# KiCad board keyboard0 - SK6812.kicad_pcb (continued)
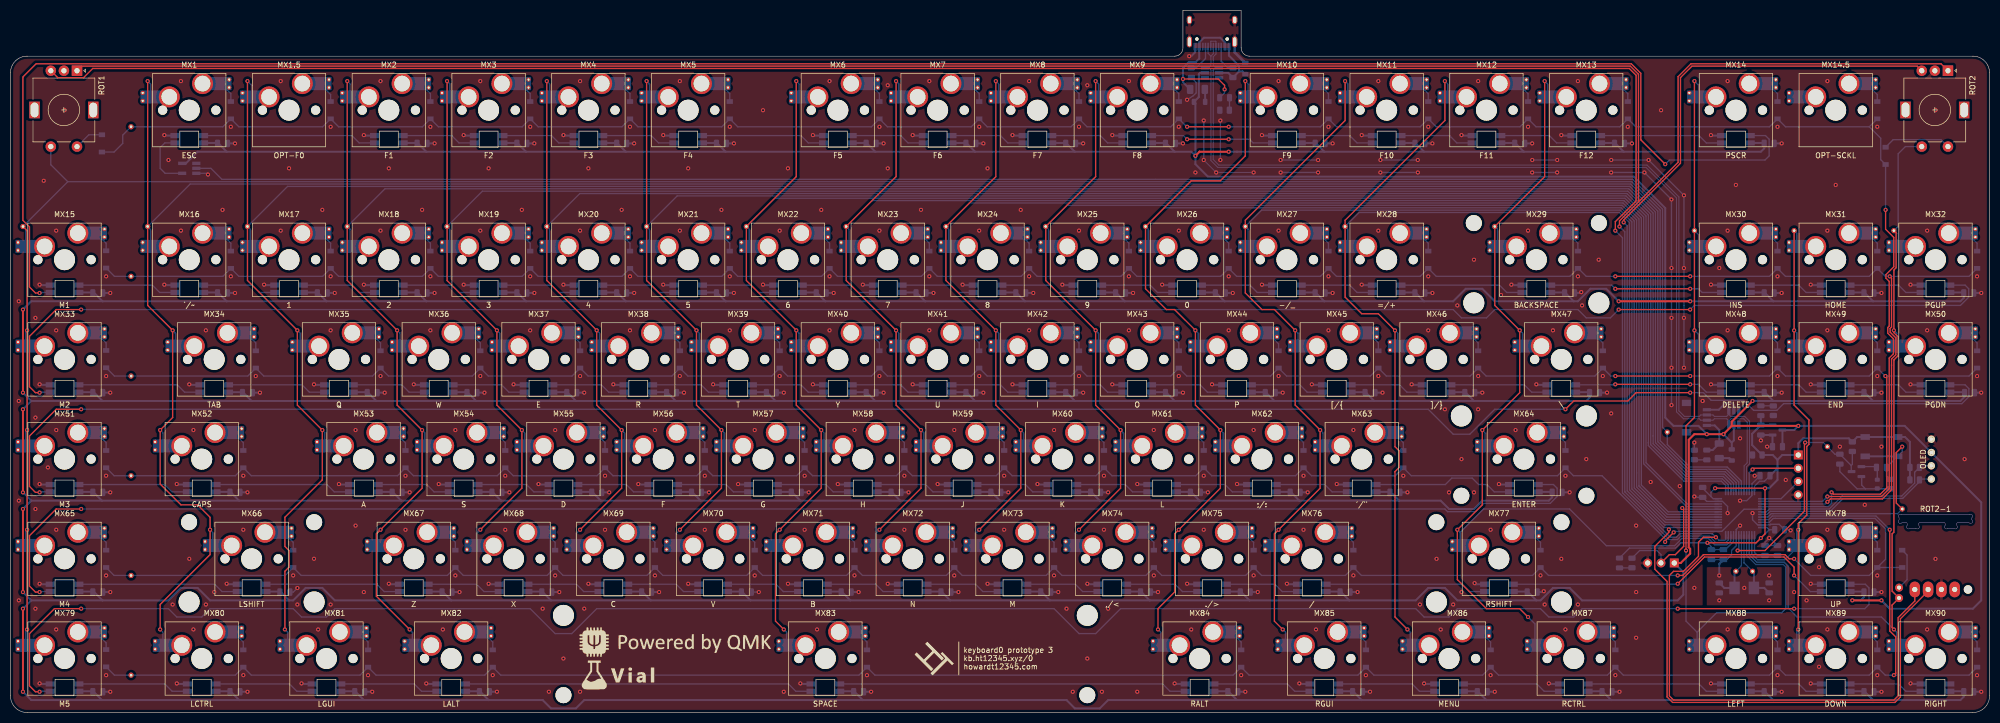
[diagram p0: board, top side]
## Placement (name value [footprint] x y rotation side) (continued)
R13  5.1K  [R_0805_2012Metric]  225.43 122.23 270 bottom
R38  4.7k  [R_0805_2012Metric]  363.51 44.45 0 bottom
R39  4.7k  [R_0805_2012Metric]  363.51 46.83 0 bottom
R58  1.5k  [R_0805_2012Metric]  333.47 49.21 180 bottom
R64  510  [R_0805_2012Metric]  336.53 57.66 90 bottom
ROT1  EC11  [RotaryEncoder_Alps_EC11E-Switch_Vertical_H20mm]  12.7 122.63 270 top
ROT2  EC11  [RotaryEncoder_Alps_EC11E-Switch_Vertical_H20mm]  369.86 122.63 270 top
ROT2-1  -  [EVQWGD001]  367.48 29.37 180 top
ROW0  TestPoint_Small  [TestPoint_THTPad_D1.0mm_Drill0.5mm]  23.02 111.91 0 bottom
ROW1  TestPoint_Small  [TestPoint_THTPad_D1.0mm_Drill0.5mm]  23.02 83.34 0 bottom
ROW2  TestPoint_Small  [TestPoint_THTPad_D1.0mm_Drill0.5mm]  23.02 64.29 0 bottom
ROW3  TestPoint_Small  [TestPoint_THTPad_D1.0mm_Drill0.5mm]  23.02 45.24 0 bottom
ROW4  TestPoint_Small  [TestPoint_THTPad_D1.0mm_Drill0.5mm]  23.02 26.19 0 bottom
ROW5  TestPoint_Small  [TestPoint_THTPad_D1.0mm_Drill0.5mm]  23.02 7.14 0 bottom
RST1  TestPoint_Small  [TestPoint_THTPad_D1.0mm_Drill0.5mm]  346.85 50.8 180 bottom
SW1  SW_Push  [SKQG-1155865]  357.16 50.8 180 bottom
U1  SRV05-4  [SOT-23-6_Handsoldering]  229.38 122.23 180 bottom
U2  74LVC1G34  [SOT-23-5_HandSoldering]  34.13 103.97 180 bottom
U3  SRV05-4  [SOT-23-6_Handsoldering]  328.99 56.35 270 bottom
U12  XC6206P332MR  [SOT-23]  337.32 53.97 0 bottom
U14  STM32F303CBT6  [LQFP-48_7x7mm_P0.5mm]  330.18 38.1 90 bottom
USB1  HRO-TYPE-C-31-M-12  [HRO-TYPE-C-31-M-12-Assembly]  229.38 134.93 0 bottom
X1  TestPoint_Small  [TestPoint_THTPad_D1.0mm_Drill0.5mm]  332.56 26.99 180 bottom
X2  TestPoint_Small  [TestPoint_THTPad_D1.0mm_Drill0.5mm]  329.39 26.99 180 bottom
Y2  8MHz  [Crystal_SMD_5032-2Pin_5.0x3.2mm]  330.97 23.81 180 bottom

## Library data of the parts
BKL1 BOOT0 COL0-COL17 J1 J3 LOGO0 LOGO0#2 LOGO1 LOGO1#2 LOGO2 LOGO2#2 MX1 MX1.5 MX2-MX14 MX14.5 MX15-MX25 MX27-MX90 OL1 ROT1 ROT2 ROW0-ROW5 RST1 X1 X2 = -: JLCPCB BOM: 0
C2 = -: LCSC Part: C1779
C3 C7 = -: LCSC Part: C1798
C4 C24 C43 C44 = -: LCSC Part: C28323
C18-C20 C22 = -: LCSC Part: C28233
C21 = -: LCSC Part: C15850
C23 = -: LCSC Part: C1710
D1 = -: LCSC Part: C2297
D2 D5 D11 = -: LCSC Part: C84256
D3 D4 D6 KD1 KD1-1 KD2-KD14 KD14-1 KD15-KD90 = -: LCSC Part: C81598
F1 F8 = -: LCSC Part: C70069
FB1 FB5 FB15 = -: LCSC Part: C18305
J2 = -: LCSC Part: C160404
Q1 = -: LCSC Part: C8545
R1 R8 = -: LCSC Part: C17798
R2 R64 = -: LCSC Part: C17734
R5 R6 = -: LCSC Part: C17414
R7 = -: LCSC Part: C25803
R12 R13 = -: LCSC Part: C27834
R38 R39 = -: LCSC Part: C17673
R58 = -: LCSC Part: C4310
SW1 = -: LCSC Part: C318884
U1 U3 = -: LCSC Part: C85364
U2 = -: LCSC Part: C526347
U12 = -: LCSC Part: C5446
U14 = -: LCSC Part: C108516
USB1 = -: LCSC Part: C165948
Y2 = -: LCSC Part: C115962

## Footprints (pads in the part's own frame, mm; a bottom-side part is the same pattern mirrored in y, then rotated)
C_0805_2012Metric
  rrect 1x1.45 smd: 1(-0.95,0) 2(0.95,0)
CherryMX_1.00u_PCB_KailhSocket
  rect 2.55x2.5 smd: (-7.085,2.54) (5.815,5.08)
  round 1.75 hole 1.75 unplated: (-5.08,0) (5.08,0)
  round 3.988 hole 3.988 unplated: (0,0)
  round 0.8 hole 0.4: 1(-8.89,3.302) 1(-8.89,1.778) 2(7.62,5.842) 2(7.62,4.318)
  rect 4.5x2.5 smd far side: 1(-7.085,2.54) 2(5.842,5.08)
  round 4 hole 3: 1(-3.81,2.54) 2(2.54,5.08)
CherryMX_1.25u_PCB_KailhSocket
  rect 2.55x2.5 smd: (-7.085,2.54) (5.815,5.08)
  round 1.75 hole 1.75 unplated: (-5.08,0) (5.08,0)
  round 3.988 hole 3.988 unplated: (0,0)
  round 0.8 hole 0.4: 1(-8.89,3.302) 1(-8.89,1.778) 2(7.62,5.842) 2(7.62,4.318)
  rect 4.5x2.5 smd far side: 1(-7.085,2.54) 2(5.842,5.08)
  round 4 hole 3: 1(-3.81,2.54) 2(2.54,5.08)
CherryMX_1.50u_PCB_KailhSocket
  rect 2.55x2.5 smd: (-7.085,2.54) (5.815,5.08)
  round 1.75 hole 1.75 unplated: (-5.08,0) (5.08,0)
  round 3.988 hole 3.988 unplated: (0,0)
  round 0.8 hole 0.4: 1(-8.89,3.302) 1(-8.89,1.778) 2(7.62,5.842) 2(7.62,4.318)
  rect 4.5x2.5 smd far side: 1(-7.085,2.54) 2(5.842,5.08)
  round 4 hole 3: 1(-3.81,2.54) 2(2.54,5.08)
CherryMX_1.75u_PCB_KailhSocket
  rect 2.55x2.5 smd: (-7.085,2.54) (5.815,5.08)
  round 1.75 hole 1.75 unplated: (-5.08,0) (5.08,0)
  round 3.988 hole 3.988 unplated: (0,0)
  round 0.8 hole 0.4: 1(-8.89,3.302) 1(-8.89,1.778) 2(7.62,5.842) 2(7.62,4.318)
  rect 4.5x2.5 smd far side: 1(-7.085,2.54) 2(5.842,5.08)
  round 4 hole 3: 1(-3.81,2.54) 2(2.54,5.08)
CherryMX_2.00u_PCB_KailhSocket_StabWireBottom
  round 3.05 hole 3.05 unplated: (-11.938,7) (11.938,7)
  round 4 hole 4 unplated: (-11.938,-8.24) (11.938,-8.24)
  rect 2.55x2.5 smd: (-7.085,2.54) (5.815,5.08)
  round 1.75 hole 1.75 unplated: (-5.08,0) (5.08,0)
  round 3.988 hole 3.988 unplated: (0,0)
  round 0.8 hole 0.4: 1(-8.89,3.302) 1(-8.89,1.778) 2(7.62,5.842) 2(7.62,4.318)
  rect 4.5x2.5 smd far side: 1(-7.085,2.54) 2(5.842,5.08)
  round 4 hole 3: 1(-3.81,2.54) 2(2.54,5.08)
CherryMX_2.25u_PCB_KailhSocket_StabWireBottom
  round 3.05 hole 3.05 unplated: (-11.938,7) (11.938,7)
  round 4 hole 4 unplated: (-11.938,-8.24) (11.938,-8.24)
  rect 2.55x2.5 smd: (-7.085,2.54) (5.815,5.08)
  round 1.75 hole 1.75 unplated: (-5.08,0) (5.08,0)
  round 3.988 hole 3.988 unplated: (0,0)
  round 0.8 hole 0.4: 1(-8.89,3.302) 1(-8.89,1.778) 2(7.62,5.842) 2(7.62,4.318)
  rect 4.5x2.5 smd far side: 1(-7.085,2.54) 2(5.842,5.08)
  round 4 hole 3: 1(-3.81,2.54) 2(2.54,5.08)
CherryMX_2.25u_PCB_KailhSocket_StabWireTop
  round 4 hole 4 unplated: (-11.938,8.24) (11.938,8.24)
  round 3.05 hole 3.05 unplated: (-11.938,-7) (11.938,-7)
  rect 2.55x2.5 smd: (-7.085,2.54) (5.815,5.08)
  round 1.75 hole 1.75 unplated: (-5.08,0) (5.08,0)
  round 3.988 hole 3.988 unplated: (0,0)
  round 0.8 hole 0.4: 1(-8.89,3.302) 1(-8.89,1.778) 2(7.62,5.842) 2(7.62,4.318)
  rect 4.5x2.5 smd far side: 1(-7.085,2.54) 2(5.842,5.08)
  round 4 hole 3: 1(-3.81,2.54) 2(2.54,5.08)
CherryMX_2.75u_PCB_KailhSocket_StabWireBottom
  round 3.05 hole 3.05 unplated: (-11.938,7) (11.938,7)
  round 4 hole 4 unplated: (-11.938,-8.24) (11.938,-8.24)
  rect 2.55x2.5 smd: (-7.095,2.541) (5.805,5.081)
  round 1.75 hole 1.75 unplated: (-5.09,0.001) (5.07,0.001)
  round 3.988 hole 3.988 unplated: (-0.01,0.001)
  round 0.8 hole 0.4: 1(-8.9,3.303) 1(-8.9,1.779) 2(7.61,5.843) 2(7.61,4.319)
  rect 4.5x2.5 smd far side: 1(-7.095,2.541) 2(5.832,5.081)
  round 4 hole 3: 1(-3.82,2.541) 2(2.53,5.081)
CherryMX_6.25u_PCB_KailhSocket_StabWireTop
  round 4 hole 4 unplated: (-50,8.24) (50,8.24)
  round 3.05 hole 3.05 unplated: (-50,-7) (50,-7)
  rect 2.55x2.5 smd: (-7.085,2.54) (5.815,5.08)
  round 1.75 hole 1.75 unplated: (-5.08,0) (5.08,0)
  round 3.988 hole 3.988 unplated: (0,0)
  round 0.8 hole 0.4: 1(-8.89,3.302) 1(-8.89,1.778) 2(7.62,5.842) 2(7.62,4.318)
  rect 4.5x2.5 smd far side: 1(-7.085,2.54) 2(5.842,5.08)
  round 4 hole 3: 1(-3.81,2.54) 2(2.54,5.08)
Crystal_SMD_5032-2Pin_5.0x3.2mm
  rect 2x2.4 smd: 1(-1.85,0) 2(1.85,0)
D_SOD-123
  rect 0.9x1.2 smd: 1(-1.65,0) 2(1.65,0)
EVQWGD001
  round 1.6 hole 1.6 unplated: (-6.21,5.85)
  oval 2x3 hole 1: A(3.95,5.85) B(1.41,5.85) C(-1.13,5.85) NC(-3.67,5.85)
  round 1.524 hole 0.762: S1(6.95,7.5)
  oval 1.524x1.524 hole 0.762: S2(6.95,5.5)
Fuse_1206_3216Metric
  rrect 1.25x1.75 smd: 1(-1.4,0) 2(1.4,0)
HRO-TYPE-C-31-M-12-Assembly
  round 0.65 hole 0.65 unplated: (-2.89,6.25) (2.89,6.25)
  rect 0.6x1.45 smd: 1(-3.225,7.695) 2(-2.45,7.695) 11(2.45,7.695) 12(3.225,7.695)
  rect 0.3x1.45 smd: 3(-1.75,7.695) 4(-1.25,7.695) 5(-0.75,7.695) 6(-0.25,7.695) 7(0.25,7.695) 8(0.75,7.695) 9(1.25,7.695) 10(1.75,7.695)
  oval 1x1.6 hole 0.6x1.2: 13(-4.32,2.6) 13(4.32,2.6)
  oval 1x2.1 hole 0.6x1.7: 13(-4.32,6.78) 13(4.32,6.78)
JST-SR-4
  rect 0.6x1.55 smd: 1(-1.5,4.775) 2(-0.5,4.775) 3(0.5,4.775) 4(1.5,4.775)
  rect 1.2x1.8 smd: MP(-2.8,0.9) MP(2.8,0.9)
L_0805_2012Metric
  rrect 0.875x1.2 smd: 1(-1.062,0) 2(1.062,0)
LED_0805_2012Metric
  rrect 0.975x1.4 smd: 1(-0.938,0) 2(0.938,0)
LQFP-48_7x7mm_P0.5mm
  rrect 1.475x0.3 smd: 1(-4.162,2.75) 2(-4.162,2.25) 3(-4.162,1.75) 4(-4.162,1.25) 5(-4.162,0.75) 6(-4.162,0.25) 7(-4.162,-0.25) 8(-4.162,-0.75) 9(-4.162,-1.25) 10(-4.162,-1.75) 11(-4.162,-2.25) 12(-4.162,-2.75) 25(4.162,-2.75) 26(4.162,-2.25) 27(4.162,-1.75) 28(4.162,-1.25) 29(4.162,-0.75) 30(4.162,-0.25) 31(4.162,0.25) 32(4.162,0.75) 33(4.162,1.25) 34(4.162,1.75) 35(4.162,2.25) 36(4.162,2.75)
  rrect 0.3x1.475 smd: 13(-2.75,-4.162) 14(-2.25,-4.162) 15(-1.75,-4.162) 16(-1.25,-4.162) 17(-0.75,-4.162) 18(-0.25,-4.162) 19(0.25,-4.162) 20(0.75,-4.162) 21(1.25,-4.162) 22(1.75,-4.162) 23(2.25,-4.162) 24(2.75,-4.162) 37(2.75,4.162) 38(2.25,4.162) 39(1.75,4.162) 40(1.25,4.162) 41(0.75,4.162) 42(0.25,4.162) 43(-0.25,4.162) 44(-0.75,4.162) 45(-1.25,4.162) 46(-1.75,4.162) 47(-2.25,4.162) 48(-2.75,4.162)
OLED_v2
  round 1.397 hole 0.813: 1(-3.81,0) 2(-1.27,0) 3(1.27,0) 4(3.81,0)
PinHeader_1x03_P2.54mm_Vertical
  rect 1.7x1.7 hole 1: 1(0,0)
  oval 1.7x1.7 hole 1: 2(0,-2.54) 3(0,-5.08)
PinSocket_1x04_P2.54mm_Vertical
  rect 1.7x1.7 hole 1: 1(0,0)
  oval 1.7x1.7 hole 1: 2(0,-2.54) 3(0,-5.08) 4(0,-7.62)
R_0603_1608Metric
  rrect 0.8x0.95 smd: 1(-0.825,0) 2(0.825,0)
R_0805_2012Metric
  rrect 1.025x1.4 smd: 1(-0.912,0) 2(0.912,0)
RotaryEncoder_Alps_EC11E-Switch_Vertical_H20mm
  rect 2x2 hole 1: A(0,0)
  round 2 hole 1: B(0,-5) C(0,-2.5) S1(14.5,-5) S2(14.5,0)
  rect 3.2x2 hole 2.8x1.5: MP(7.5,3.1) MP(7.5,-8.1)
SKQG-1155865
  rect 1.8x1.1 smd: 1(-3.1,-1.85) 1(3.1,-1.85) 2(-3.1,1.85) 2(3.1,1.85)
SOT-23
  rrect 1.475x0.6 smd: 1(-0.938,0.95) 2(-0.938,-0.95) 3(0.938,0)
SOT-23-5_HandSoldering
  rect 1.56x0.65 smd: 1(-1.35,0.95) 2(-1.35,0) 3(-1.35,-0.95) 4(1.35,-0.95) 5(1.35,0.95)
SOT-23-6_Handsoldering
  rect 1.56x0.65 smd: 1(-1.35,0.95) 2(-1.35,0) 3(-1.35,-0.95) 4(1.35,-0.95) 5(1.35,0) 6(1.35,0.95)
TestPoint_THTPad_D1.0mm_Drill0.5mm
  round 1 hole 0.5: 1(0,0)
YS-SK6812MINI-E
  rect 1.7x1 smd: 1(-2.75,0.7) 2(2.75,0.7) 3(2.75,-0.7) 4(-2.75,-0.7)

## Nets
+3V3: C18.1 C19.1 C20.1 C21.1 C22.1 C23.2 C24.1 C44.1 D1.2 D11.2 J1.1 R5.1 R38.1 R39.1 R58.1 SW1.2 U12.2 U14.1 U14.9 U14.24 U14.36 U14.48
+5V: C43.1 FB1.2 FB15.2 J3.1 LC1.2 LC2.2 LC3.2 LC4.2 LC5.2 LC6.2 LC7.2 LC8.2 LC9.2 LC10.2 LC11.2 LC12.2 LC13.2 LC14.2 LC15.2 LC16.2 LC17.2 LC18.2 LC19.2 LC20.2 LC21.2 LC22.2 LC23.2 LC24.2 LC25.2 LC26.2 LC27.2 LC28.2 LC29.2 LC30.2 LC31.2 LC32.2 LC33.2 LC34.2 LC35.2 LC36.2 LC37.2 LC38.2 LC39.2 LC40.2 LC41.2 LC42.2 LC43.2 LC44.2 LC45.2 LC46.2 LC47.2 LC48.2 LC49.2 LC50.2 LC51.2 LC52.2 LC53.2 LC54.2 LC55.2 LC56.2 LC57.2 LC58.2 LC59.2 LC60.2 LC61.2 LC62.2 LC63.2 LC64.2 LC65.2 LC66.2 LC67.2 LC68.2 LC69.2 LC70.2 LC71.2 LC72.2 LC73.2 LC74.2 LC75.2 LC76.2 LC77.2 LC78.2 LC79.2 LC80.2 LC81.2 LC82.2 LC83.2 LC84.2 LC85.2 LC86.2 LC87.2 LC88.2 LC89.2 LC90.2 LED1.4 LED2.4 LED3.4 LED4.4 LED5.4 LED6.4 LED7.4 LED8.4 LED9.4 LED10.4 LED11.4 LED12.4 LED13.4 LED14.4 LED15.4 LED16.4 LED17.4 LED18.4 LED19.4 LED20.4 LED21.4 LED22.4 LED23.4 LED24.4 LED25.4 LED26.4 LED27.4 LED28.4 LED29.4 LED30.4 LED31.4 LED32.4 LED33.4 LED34.4 LED35.4 LED36.4 LED37.4 LED38.4 LED39.4 LED40.4 LED41.4 LED42.4 LED43.4 LED44.4 LED45.4 LED46.4 LED47.4 LED48.4 LED49.4 LED50.4 LED51.4 LED52.4 LED53.4 LED54.4 LED55.4 LED56.4 LED57.4 LED58.4 LED59.4 LED60.4 LED61.4 LED62.4 LED63.4 LED64.4 LED65.4 LED66.4 LED67.4 LED68.4 LED69.4 LED70.4 LED71.4 LED72.4 LED73.4 LED74.4 LED75.4 LED76.4 LED77.4 LED78.4 LED79.4 LED80.4 LED81.4 LED82.4 LED83.4 LED84.4 LED85.4 LED86.4 LED87.4 LED88.4 LED89.4 LED90.4 OL1.3 U1.5 U2.5 U3.5 U12.3
GND: C3.2 C4.2 C7.2 C18.2 C19.2 C20.2 C21.2 C22.2 C23.1 C24.2 C43.2 C44.2 FB5.1 J1.4 J2.4 J2.MP J3.3 LC1.1 LC2.1 LC3.1 LC4.1 LC5.1 LC6.1 LC7.1 LC8.1 LC9.1 LC10.1 LC11.1 LC12.1 LC13.1 LC14.1 LC15.1 LC16.1 LC17.1 LC18.1 LC19.1 LC20.1 LC21.1 LC22.1 LC23.1 LC24.1 LC25.1 LC26.1 LC27.1 LC28.1 LC29.1 LC30.1 LC31.1 LC32.1 LC33.1 LC34.1 LC35.1 LC36.1 LC37.1 LC38.1 LC39.1 LC40.1 LC41.1 LC42.1 LC43.1 LC44.1 LC45.1 LC46.1 LC47.1 LC48.1 LC49.1 LC50.1 LC51.1 LC52.1 LC53.1 LC54.1 LC55.1 LC56.1 LC57.1 LC58.1 LC59.1 LC60.1 LC61.1 LC62.1 LC63.1 LC64.1 LC65.1 LC66.1 LC67.1 LC68.1 LC69.1 LC70.1 LC71.1 LC72.1 LC73.1 LC74.1 LC75.1 LC76.1 LC77.1 LC78.1 LC79.1 LC80.1 LC81.1 LC82.1 LC83.1 LC84.1 LC85.1 LC86.1 LC87.1 LC88.1 LC89.1 LC90.1 LED1.2 LED2.2 LED3.2 LED4.2 LED5.2 LED6.2 LED7.2 LED8.2 LED9.2 LED10.2 LED11.2 LED12.2 LED13.2 LED14.2 LED15.2 LED16.2 LED17.2 LED18.2 LED19.2 LED20.2 LED21.2 LED22.2 LED23.2 LED24.2 LED25.2 LED26.2 LED27.2 LED28.2 LED29.2 LED30.2 LED31.2 LED32.2 LED33.2 LED34.2 LED35.2 LED36.2 LED37.2 LED38.2 LED39.2 LED40.2 LED41.2 LED42.2 LED43.2 LED44.2 LED45.2 LED46.2 LED47.2 LED48.2 LED49.2 LED50.2 LED51.2 LED52.2 LED53.2 LED54.2 LED55.2 LED56.2 LED57.2 LED58.2 LED59.2 LED60.2 LED61.2 LED62.2 LED63.2 LED64.2 LED65.2 LED66.2 LED67.2 LED68.2 LED69.2 LED70.2 LED71.2 LED72.2 LED73.2 LED74.2 LED75.2 LED76.2 LED77.2 LED78.2 LED79.2 LED80.2 LED81.2 LED82.2 LED83.2 LED84.2 LED85.2 LED86.2 LED87.2 LED88.2 LED89.2 LED90.2 OL1.4 Q1.2 R1.1 R6.2 R7.2 R8.1 R12.2 R13.2 R64.1 ROT1.C ROT2.C ROT2-1.C U1.2 U2.3 U3.2 U12.1 U14.8 U14.23 U14.35 U14.47 USB1.1 USB1.12
VBUS: D2.2 D5.2 F1.1 F8.1 J2.1 USB1.2 USB1.11
B2: J3.2 R2.1 U14.20
BKL_3V3: BKL1.1 U2.2 U14.31
BKL_5V: LED1.3 U2.4
BOOT0: BOOT0.1 C2.2 R6.1 SW1.1 U14.44
COL0: COL0.1 MX15.1 MX33.1 MX51.1 MX65.1 MX79.1 ROT1.S1 U14.30
COL1: COL1.1 MX1.1 MX16.1 MX34.1 MX52.1 MX66.1 MX80.1 U14.29
COL2: COL2.1 MX1.5.1 MX17.1 MX35.1 MX53.1 MX81.1 U14.28
COL3: COL3.1 MX2.1 MX18.1 MX36.1 MX54.1 MX67.1 MX82.1 U14.27
COL4: COL4.1 MX3.1 MX19.1 MX37.1 MX55.1 MX68.1 U14.26
COL5: COL5.1 MX4.1 MX20.1 MX38.1 MX56.1 MX69.1 U14.25
COL6: COL6.1 MX5.1 MX21.1 MX39.1 MX57.1 MX70.1 U14.22
COL7: COL7.1 MX6.1 MX22.1 MX40.1 MX58.1 MX71.1 MX83.1 U14.21
COL8: COL8.1 MX7.1 MX23.1 MX41.1 MX59.1 MX72.1 U14.19
COL9: COL9.1 MX8.1 MX24.1 MX42.1 MX60.1 MX73.1 U14.18
COL10: COL10.1 MX9.1 MX25.1 MX43.1 MX61.1 MX74.1 U14.17
COL11: COL11.1 MX10.1 MX26.1 MX44.1 MX62.1 MX75.1 MX84.1 U14.16
COL12: COL12.1 MX11.1 MX27.1 MX45.1 MX63.1 MX76.1 MX85.1 U14.15
COL13: COL13.1 MX12.1 MX28.1 MX46.1 MX86.1 U14.14
COL14: COL14.1 MX13.1 MX29.1 MX47.1 MX64.1 MX77.1 MX87.1 U14.10
COL15: COL15.1 MX14.1 MX30.1 MX48.1 MX88.1 U14.4
COL16: COL16.1 MX31.1 MX49.1 MX78.1 MX89.1 U14.2
COL17: COL17.1 MX32.1 MX50.1 MX90.1 ROT2.S1 ROT2-1.S1 U14.3
D+: J2.3 R58.2 U1.1 U3.1 U14.33 USB1.6 USB1.8
D-: J2.2 U1.6 U3.6 U14.32 USB1.5 USB1.7
DOUT_1: LED10.1 LED11.3
DOUT_2: LED20.1 LED21.3
DOUT_3: LED30.1 LED31.3
DOUT_4: LED40.1 LED41.3
DOUT_5: LED50.1 LED51.3
DOUT_6: LED60.1 LED61.3
DOUT_7: LED70.1 LED71.3
DOUT_8: LED80.1 LED81.3
Earth: FB5.2 USB1.13
ENCODER_A: ROT1.A ROT2.A ROT2-1.A U14.12
ENCODER_B1: ROT1.B U14.11
ENCODER_B2: ROT2.B ROT2-1.B U14.13
KEYBOARD_RESET: C4.1 Q1.3 R5.2 RST1.1 U14.7
KEYBOARD_XTAL1: C3.1 U14.5 X1.1 Y2.1
KEYBOARD_XTAL2: C7.1 U14.6 X2.1 Y2.2
ROT1_ROW: D3.1 D4.1 KD1.1 KD1-1.1 KD2.1 KD3.1 KD4.1 KD5.1 KD6.1 KD7.1 KD8.1 KD9.1 KD10.1 KD11.1 KD12.1 KD13.1 KD14.1 KD14-1.1 ROW0.1 U14.38
ROT2-1_ROW: D6.1 KD65.1 KD66.1 KD67.1 KD68.1 KD69.1 KD70.1 KD71.1 KD72.1 KD73.1 KD74.1 KD75.1 KD76.1 KD77.1 KD78.1 ROW4.1 U14.46
ROW1: KD15.1 KD16.1 KD17.1 KD18.1 KD19.1 KD20.1 KD21.1 KD22.1 KD23.1 KD24.1 KD25.1 KD26.1 KD27.1 KD28.1 KD29.1 KD30.1 KD31.1 KD32.1 ROW1.1 U14.39
ROW2: KD33.1 KD34.1 KD35.1 KD36.1 KD37.1 KD38.1 KD39.1 KD40.1 KD41.1 KD42.1 KD43.1 KD44.1 KD45.1 KD46.1 KD47.1 KD48.1 KD49.1 KD50.1 ROW2.1 U14.40
ROW3: KD51.1 KD52.1 KD53.1 KD54.1 KD55.1 KD56.1 KD57.1 KD58.1 KD59.1 KD60.1 KD61.1 KD62.1 KD63.1 KD64.1 ROW3.1 U14.41
ROW5: KD79.1 KD80.1 KD81.1 KD82.1 KD83.1 KD84.1 KD85.1 KD86.1 KD87.1 KD88.1 KD89.1 KD90.1 ROW5.1 U14.45
SCL: OL1.2 R39.2 U14.42
SDA: OL1.1 R38.2 U14.43
SWCLK: J1.3 U14.37
SWDIO: J1.2 U14.34
Net-(C2-Pad1): C2.1 Q1.1 R7.1
Net-(D1-Pad1): D1.1 R2.2
Net-(D2-Pad1): D2.1 R1.2
Net-(D3-Pad2): D3.2 ROT1.S2
Net-(D4-Pad2): D4.2 ROT2.S2
Net-(D5-Pad1): D5.1 R8.2
Net-(D6-Pad2): D6.2 ROT2-1.S2
Net-(D11-Pad1): D11.1 R64.2
Net-(F1-Pad2): F1.2 FB1.1
Net-(F8-Pad2): F8.2 FB15.1
Net-(KD1-1-Pad2): KD1-1.2 MX1.5.2
Net-(KD1-Pad2): KD1.2 MX1.2
Net-(KD2-Pad2): KD2.2 MX2.2
Net-(KD3-Pad2): KD3.2 MX3.2
Net-(KD4-Pad2): KD4.2 MX4.2
Net-(KD5-Pad2): KD5.2 MX5.2
Net-(KD6-Pad2): KD6.2 MX6.2
Net-(KD7-Pad2): KD7.2 MX7.2
Net-(KD8-Pad2): KD8.2 MX8.2
Net-(KD9-Pad2): KD9.2 MX9.2
Net-(KD10-Pad2): KD10.2 MX10.2
Net-(KD11-Pad2): KD11.2 MX11.2
Net-(KD12-Pad2): KD12.2 MX12.2
Net-(KD13-Pad2): KD13.2 MX13.2
Net-(KD14-1-Pad2): KD14-1.2 MX14.5.2
Net-(KD14-Pad2): KD14.2 MX14.2
Net-(KD15-Pad2): KD15.2 MX15.2
Net-(KD16-Pad2): KD16.2 MX16.2
Net-(KD17-Pad2): KD17.2 MX17.2
Net-(KD18-Pad2): KD18.2 MX18.2
Net-(KD19-Pad2): KD19.2 MX19.2
Net-(KD20-Pad2): KD20.2 MX20.2
Net-(KD21-Pad2): KD21.2 MX21.2
Net-(KD22-Pad2): KD22.2 MX22.2
Net-(KD23-Pad2): KD23.2 MX23.2
Net-(KD24-Pad2): KD24.2 MX24.2
Net-(KD25-Pad2): KD25.2 MX25.2
Net-(KD26-Pad2): KD26.2 MX26.2
Net-(KD27-Pad2): KD27.2 MX27.2
Net-(KD28-Pad2): KD28.2 MX28.2
Net-(KD29-Pad2): KD29.2 MX29.2
Net-(KD30-Pad2): KD30.2 MX30.2
Net-(KD31-Pad2): KD31.2 MX31.2
Net-(KD32-Pad2): KD32.2 MX32.2
Net-(KD33-Pad2): KD33.2 MX33.2
Net-(KD34-Pad2): KD34.2 MX34.2
Net-(KD35-Pad2): KD35.2 MX35.2
Net-(KD36-Pad2): KD36.2 MX36.2
Net-(KD37-Pad2): KD37.2 MX37.2
Net-(KD38-Pad2): KD38.2 MX38.2
Net-(KD39-Pad2): KD39.2 MX39.2
Net-(KD40-Pad2): KD40.2 MX40.2
Net-(KD41-Pad2): KD41.2 MX41.2
Net-(KD42-Pad2): KD42.2 MX42.2
Net-(KD43-Pad2): KD43.2 MX43.2
Net-(KD44-Pad2): KD44.2 MX44.2
Net-(KD45-Pad2): KD45.2 MX45.2
Net-(KD46-Pad2): KD46.2 MX46.2
Net-(KD47-Pad2): KD47.2 MX47.2
Net-(KD48-Pad2): KD48.2 MX48.2
Net-(KD49-Pad2): KD49.2 MX49.2
Net-(KD50-Pad2): KD50.2 MX50.2
Net-(KD51-Pad2): KD51.2 MX51.2
Net-(KD52-Pad2): KD52.2 MX52.2
Net-(KD53-Pad2): KD53.2 MX53.2
Net-(KD54-Pad2): KD54.2 MX54.2
Net-(KD55-Pad2): KD55.2 MX55.2
Net-(KD56-Pad2): KD56.2 MX56.2
Net-(KD57-Pad2): KD57.2 MX57.2
Net-(KD58-Pad2): KD58.2 MX58.2
Net-(KD59-Pad2): KD59.2 MX59.2
Net-(KD60-Pad2): KD60.2 MX60.2
Net-(KD61-Pad2): KD61.2 MX61.2
Net-(KD62-Pad2): KD62.2 MX62.2
Net-(KD63-Pad2): KD63.2 MX63.2
Net-(KD64-Pad2): KD64.2 MX64.2
Net-(KD65-Pad2): KD65.2 MX65.2
Net-(KD66-Pad2): KD66.2 MX66.2
Net-(KD67-Pad2): KD67.2 MX67.2
Net-(KD68-Pad2): KD68.2 MX68.2
Net-(KD69-Pad2): KD69.2 MX69.2
Net-(KD70-Pad2): KD70.2 MX70.2
Net-(KD71-Pad2): KD71.2 MX71.2
Net-(KD72-Pad2): KD72.2 MX72.2
Net-(KD73-Pad2): KD73.2 MX73.2
Net-(KD74-Pad2): KD74.2 MX74.2
Net-(KD75-Pad2): KD75.2 MX75.2
Net-(KD76-Pad2): KD76.2 MX76.2
Net-(KD77-Pad2): KD77.2 MX77.2
Net-(KD78-Pad2): KD78.2 MX78.2
Net-(KD79-Pad2): KD79.2 MX79.2
Net-(KD80-Pad2): KD80.2 MX80.2
Net-(KD81-Pad2): KD81.2 MX81.2
Net-(KD82-Pad2): KD82.2 MX82.2
Net-(KD83-Pad2): KD83.2 MX83.2
Net-(KD84-Pad2): KD84.2 MX84.2
Net-(KD85-Pad2): KD85.2 MX85.2
Net-(KD86-Pad2): KD86.2 MX86.2
Net-(KD87-Pad2): KD87.2 MX87.2
Net-(KD88-Pad2): KD88.2 MX88.2
Net-(KD89-Pad2): KD89.2 MX89.2
Net-(KD90-Pad2): KD90.2 MX90.2
Net-(LED1-Pad1): LED1.1 LED2.3
Net-(LED2-Pad1): LED2.1 LED3.3
Net-(LED3-Pad1): LED3.1 LED4.3
Net-(LED4-Pad1): LED4.1 LED5.3
Net-(LED5-Pad1): LED5.1 LED6.3
Net-(LED6-Pad1): LED6.1 LED7.3
Net-(LED7-Pad1): LED7.1 LED8.3
Net-(LED8-Pad1): LED8.1 LED9.3
Net-(LED10-Pad3): LED9.1 LED10.3
Net-(LED11-Pad1): LED11.1 LED12.3
Net-(LED12-Pad1): LED12.1 LED13.3
Net-(LED13-Pad1): LED13.1 LED14.3
Net-(LED14-Pad1): LED14.1 LED15.3
Net-(LED15-Pad1): LED15.1 LED16.3
Net-(LED16-Pad1): LED16.1 LED17.3
Net-(LED17-Pad1): LED17.1 LED18.3
Net-(LED18-Pad1): LED18.1 LED19.3
Net-(LED19-Pad1): LED19.1 LED20.3
Net-(LED21-Pad1): LED21.1 LED22.3
Net-(LED22-Pad1): LED22.1 LED23.3
Net-(LED23-Pad1): LED23.1 LED24.3
Net-(LED24-Pad1): LED24.1 LED25.3
Net-(LED25-Pad1): LED25.1 LED26.3
Net-(LED26-Pad1): LED26.1 LED27.3
Net-(LED27-Pad1): LED27.1 LED28.3
Net-(LED28-Pad1): LED28.1 LED29.3
Net-(LED29-Pad1): LED29.1 LED30.3
Net-(LED31-Pad1): LED31.1 LED32.3
Net-(LED32-Pad1): LED32.1 LED33.3
Net-(LED33-Pad1): LED33.1 LED34.3
Net-(LED34-Pad1): LED34.1 LED35.3
Net-(LED35-Pad1): LED35.1 LED36.3
Net-(LED36-Pad1): LED36.1 LED37.3
Net-(LED37-Pad1): LED37.1 LED38.3
Net-(LED38-Pad1): LED38.1 LED39.3
Net-(LED39-Pad1): LED39.1 LED40.3
Net-(LED41-Pad1): LED41.1 LED42.3
Net-(LED42-Pad1): LED42.1 LED43.3
Net-(LED43-Pad1): LED43.1 LED44.3
Net-(LED44-Pad1): LED44.1 LED45.3
Net-(LED45-Pad1): LED45.1 LED46.3
Net-(LED46-Pad1): LED46.1 LED47.3
Net-(LED47-Pad1): LED47.1 LED48.3
Net-(LED48-Pad1): LED48.1 LED49.3
Net-(LED49-Pad1): LED49.1 LED50.3
Net-(LED51-Pad1): LED51.1 LED52.3
Net-(LED52-Pad1): LED52.1 LED53.3
Net-(LED53-Pad1): LED53.1 LED54.3
Net-(LED54-Pad1): LED54.1 LED55.3
Net-(LED55-Pad1): LED55.1 LED56.3
Net-(LED56-Pad1): LED56.1 LED57.3
Net-(LED57-Pad1): LED57.1 LED58.3
Net-(LED58-Pad1): LED58.1 LED59.3
Net-(LED59-Pad1): LED59.1 LED60.3
Net-(LED61-Pad1): LED61.1 LED62.3
Net-(LED62-Pad1): LED62.1 LED63.3
Net-(LED63-Pad1): LED63.1 LED64.3
Net-(LED64-Pad1): LED64.1 LED65.3
Net-(LED65-Pad1): LED65.1 LED66.3
Net-(LED66-Pad1): LED66.1 LED67.3
Net-(LED67-Pad1): LED67.1 LED68.3
Net-(LED68-Pad1): LED68.1 LED69.3
Net-(LED69-Pad1): LED69.1 LED70.3
Net-(LED71-Pad1): LED71.1 LED72.3
Net-(LED72-Pad1): LED72.1 LED73.3
Net-(LED73-Pad1): LED73.1 LED74.3
Net-(LED74-Pad1): LED74.1 LED75.3
Net-(LED75-Pad1): LED75.1 LED76.3
Net-(LED76-Pad1): LED76.1 LED77.3
Net-(LED77-Pad1): LED77.1 LED78.3
Net-(LED78-Pad1): LED78.1 LED79.3
Net-(LED79-Pad1): LED79.1 LED80.3
Net-(LED81-Pad1): LED81.1 LED82.3
Net-(LED82-Pad1): LED82.1 LED83.3
Net-(LED83-Pad1): LED83.1 LED84.3
Net-(LED84-Pad1): LED84.1 LED85.3
Net-(LED85-Pad1): LED85.1 LED86.3
Net-(LED86-Pad1): LED86.1 LED87.3
Net-(LED87-Pad1): LED87.1 LED88.3
Net-(LED88-Pad1): LED88.1 LED89.3
Net-(LED89-Pad1): LED89.1 LED90.3
Net-(R12-Pad1): R12.1 USB1.10
Net-(R13-Pad1): R13.1 USB1.4

Pads without a net: LED90 1; MX14.5 1; ROT1 MP; ROT2 MP; ROT2-1 NC; U1 3 4; U2 1; U3 3 4; USB1 3 9

## Via types
v1: diameter 0.8, hole 0.4, Top to Bottom, 658 vias

## Routing (per net, layer and track width the routed paths; a pad name or vN(x,y) marks a point on that pad's centre or on a via; arc(x,y) is an arc through that point)
+3V3: length 140.3
  Top w0.25: v1(325.42,42.86) v1(334.94,42.86) 334.94,34.13 v1(334.15,33.34) 333.24,32.43 v1(323.95,32.43)
  Bottom w0.25: C23.2 C24.1 324.7,31.67 v1(323.95,32.43) 318.87,32.43 317.87,31.42 309.07,31.42 D1.2 ; 324.62,41.27 324.62,42.07 v1(325.42,42.86) ; 324.62,41.27 323.04,42.86 ; 324.62,41.27 325.05,40.85 U14.24 ; 332.93,32.12 332.93,33.76 ; 332.93,32.12 v1(334.15,33.34) 335.73,34.92 ; 332.93,32.12 332.93,30.59 333.51,30 C18.1 C21.1 ; U14.36 332.93,43.23 333.89,44.19 334.84,44.19 C20.1 ; U14.48 335.3,35.35 335.73,34.92 ; U14.9 328.93,32.67 327.37,31.11 ; 335.73,34.92 C22.1
  Bottom w0.381: 337.32,48.29 337.32,46.67 ; 337.32,48.29 336.4,49.21 R58.1 332.48,51.11 332.48,53.26 C44.1 ; 337.32,48.29 338.24,49.21 J1.1 341.29,51.45 342.23,52.38 350.93,52.38 R5.1 352.55,52.65 SW1.2 SW1.2 361.66,52.65 362.6,51.71 R38.1 ; 337.32,46.67 337.32,44.45 335.74,42.86 v1(334.94,42.86) ; 337.32,46.67 C20.1 ; C44.1 D11.2 ; C44.1 U12.2
+5V: length 2831.5
  Top w0.381: v1(332.56,59.53) 328.59,55.56 328.59,54.77 ; v1(2.38,19.84) v1(2.38,3.97) ; v1(2.38,38.89) v1(2.38,23.02) ; 328.59,54.77 v1(327,53.18) v1(323.83,53.18) 321.45,53.18 320.38,52.11 320.38,31.56 320.65,31.28 320.65,30.37 318.85,28.57 J3.1 ; 328.59,54.77 v1(341.29,54.77) ; v1(2.38,57.94) v1(2.38,42.07) ; v1(351.61,21.43) v1(357.16,21.43) ; v1(307,78.58) v1(320.65,78.58) ; v1(232.55,107.15) 226.99,107.15 226.99,107.14 v1(226.2,106.36) ; v1(2.38,61.11) v1(2.38,76.99)
  Bottom w0.381: 260.33,59.53 279.38,59.53 ; 260.33,59.53 241.28,59.53 ; 260.33,59.53 258.75,61.11 ; 279.38,59.53 277.8,61.11 ; 279.38,59.53 300.81,59.53 301.45,60.16 LC47.2 ; 3.97,21.43 17.57,21.43 ; 3.97,21.43 v1(2.38,23.02) ; 3.97,21.43 v1(2.38,19.84) ; 17.57,21.43 30.16,21.43 32.54,23.81 35.72,23.81 38.1,21.43 53.18,21.43 ; 17.57,21.43 15.99,23.02 ; LED3.4 96.58,108.83 ; LED68.4 101.34,23.11 ; LC50.2 373.04,60.32 372.25,59.53 355.58,59.53 ; LED44.4 239.45,61.21 ; 65.88,3.97 67.46,2.38 ; 67.46,2.38 43.65,2.38 ; 67.46,2.38 91.28,2.38 ; 355.58,59.53 353.99,61.11 ; 355.58,59.53 336.53,59.53 ; LED71.4 158.49,23.11 ; U12.3 340.5,53.97 v1(341.29,54.77) 361.61,54.77 OL1.3 376.21,40.16 376.21,21.43 374.63,19.84 358.75,19.84 v1(357.16,21.43) ; 249.22,108.74 250.81,107.15 ; 250.81,107.15 288.91,107.15 ; 250.81,107.15 234.14,107.15 v1(232.55,107.15) ; 306.37,108.74 307.96,107.15 ; 307.96,107.15 288.91,107.15 ; 307.96,107.15 334.15,107.15 334.79,107.79 LC14.2 ; LED86.4 279.93,4.06 ; 328.59,51.59 v1(327,53.18) ; 328.59,51.59 FB15.2 ; 328.59,51.59 328.99,51.99 U3.5 ; LED54.4 91.82,42.16 ; 15.99,80.16 17.57,78.58 ; 17.57,78.58 3.97,78.58 v1(2.38,76.99) ; 17.57,78.58 41.27,78.58 ; 42.07,3.97 43.65,2.38 ; 43.65,2.38 17.46,2.38 ; 203.19,59.53 222.24,59.53 ; 203.19,59.53 184.14,59.53 ; 203.19,59.53 201.6,61.11 ; 222.24,59.53 241.28,59.53 ; 222.24,59.53 220.65,61.11 ; 15.99,61.11 17.57,59.53 ; 17.57,59.53 3.97,59.53 ; 17.57,59.53 46.03,59.53 ; 39.69,108.74 41.27,107.15 ; 41.27,107.15 35.72,107.15 33.49,104.92 U2.5 ; 41.27,107.15 79.37,107.15 ; 182.55,61.11 184.14,59.53 ; 184.14,59.53 165.09,59.53 ; v1(307,78.58) 304.62,80.96 301.61,80.96 299.22,78.58 298.43,78.58 ; 79.37,78.58 98.42,78.58 ; 79.37,78.58 60.32,78.58 ; 79.37,78.58 77.78,80.16 ; 98.42,78.58 117.47,78.58 ; 98.42,78.58 96.83,80.16 ; LED88.4 334.69,4.06 ; LED37.4 106.11,61.21 ; LED13.4 306.12,108.83 ; LED85.4 256.12,4.06 ; LED78.4 353.74,23.11 ; 303.99,3.97 305.57,2.38 ; 305.57,2.38 281.76,2.38 ; 305.57,2.38 336.53,2.38 ; LED17.4 58.48,80.26 ; 115.88,108.74 117.47,107.15 ; 117.47,107.15 98.42,107.15 ; 117.47,107.15 136.52,107.15 ; LED34.4 44.2,61.21 ; LED2.4 77.53,108.83 ; 263.51,42.07 265.1,40.48 ; 265.1,40.48 273.03,40.48 274.62,38.89 279.38,38.89 280.97,40.48 293.67,40.48 294.31,41.12 LC64.2 ; 265.1,40.48 246.05,40.48 ; LED8.4 201.35,108.83 ; 141.28,21.43 122.23,21.43 ; 141.28,21.43 139.69,23.02 ; 141.28,21.43 160.33,21.43 ; 122.23,21.43 103.18,21.43 ; 122.23,21.43 120.64,23.02 ; 125.4,61.11 126.99,59.53 ; 126.99,59.53 107.94,59.53 ; 126.99,59.53 146.04,59.53 ; 46.03,59.53 69.85,59.53 ; 46.03,59.53 44.45,61.11 ; 69.85,59.53 88.89,59.53 ; 69.85,59.53 68.26,61.11 ; 239.7,61.11 241.28,59.53 ; 288.91,107.15 287.32,108.74 ; v1(2.38,42.07) 3.97,40.48 ; 3.97,40.48 v1(2.38,38.89) ; 3.97,40.48 17.46,40.48 ; 162.71,2.38 109.53,2.38 107.94,0.79 103.18,0.79 101.59,2.38 91.28,2.38 ; 162.71,2.38 201.6,2.38 203.19,0.79 207.95,0.79 209.54,2.38 234.14,2.38 ; 162.71,2.38 161.12,3.97 ; 107.94,59.53 88.89,59.53 ; 107.94,59.53 106.36,61.11 ; 255.57,21.43 268.27,21.43 270.65,23.81 273.83,23.81 276.21,21.43 291.29,21.43 ; 255.57,21.43 253.98,23.02 ; 255.57,21.43 236.52,21.43 ; 334.94,3.97 336.53,2.38 ; 336.53,2.38 355.58,2.38 ; v1(351.61,21.43) 353.2,21.43 353.83,22.07 LC78.2 ; LED67.4 82.29,23.11 ; v1(226.2,106.36) 226.2,116.41 FB1.2 226.86,117.6 226.86,121.99 227.09,122.23 U1.5 ; v1(226.2,106.36) 226.2,106.35 226.2,104.77 228.59,102.39 309.89,102.39 315.89,96.38 315.89,56.35 317.48,54.77 322.24,54.77 v1(323.83,53.18) ; v1(226.2,106.36) 225.41,107.15 222.24,107.15 ; 3.97,59.53 v1(2.38,61.11) ; 3.97,59.53 v1(2.38,57.94) ; LED14.4 334.69,108.83 ; 17.46,2.38 15.87,3.97 ; 17.46,2.38 3.97,2.38 v1(2.38,3.97) ; 136.52,78.58 155.57,78.58 ; 136.52,78.58 134.93,80.16 ; 136.52,78.58 117.47,78.58 ; 155.57,78.58 174.61,78.58 ; 155.57,78.58 153.98,80.16 ; 169.85,40.48 188.9,40.48 ; 169.85,40.48 150.8,40.48 ; 169.85,40.48 168.26,42.07 ; 188.9,40.48 187.31,42.07 ; 188.9,40.48 207.95,40.48 ; LED20.4 115.63,80.26 ; LED42.4 201.35,61.21 ; 256.37,3.97 257.95,2.38 ; 257.95,2.38 281.76,2.38 ; 257.95,2.38 234.14,2.38 ; 146.04,59.53 144.45,61.11 ; 146.04,59.53 165.09,59.53 ; LED10.4 248.97,108.83 ; LED81.4 65.63,4.06 ; 334.94,61.11 336.53,59.53 ; 336.53,59.53 v1(332.56,59.53) ; LED31.4 353.74,80.26 ; 163.5,108.74 165.09,107.15 ; 165.09,107.15 184.14,107.15 ; 165.09,107.15 136.52,107.15 ; 201.6,108.74 203.19,107.15 ; 203.19,107.15 222.24,107.15 ; 203.19,107.15 184.14,107.15 ; 355.58,2.38 372.25,2.38 372.88,3.02 LC90.2 ; 355.58,2.38 353.99,3.97 ; 336.53,78.58 355.58,78.58 ; 336.53,78.58 v1(320.65,78.58) ; 336.53,78.58 334.94,80.16 ; 355.58,78.58 353.99,80.16 ; 355.58,78.58 372.25,78.58 372.88,79.21 LC32.2 ; 17.46,40.48 74.61,40.48 ; 17.46,40.48 15.87,42.07 ; 74.61,40.48 93.66,40.48 ; 74.61,40.48 73.02,42.07 ; 212.71,78.58 231.76,78.58 ; 212.71,78.58 211.12,80.16 ; 212.71,78.58 193.66,78.58 ; 231.76,78.58 250.81,78.58 ; 231.76,78.58 230.17,80.16 ; LED83.4 160.87,4.06 ; 291.29,21.43 292.08,21.43 294.46,23.81 297.64,23.81 300.02,21.43 318.27,21.43 319.35,22.5 319.35,26.85 J3.1 ; 291.29,21.43 289.7,23.02 ; 112.71,40.48 131.75,40.48 ; 112.71,40.48 111.12,42.07 ; 112.71,40.48 93.66,40.48 ; 131.75,40.48 150.8,40.48 ; 131.75,40.48 130.17,42.07 ; 217.47,21.43 198.43,21.43 ; 217.47,21.43 215.89,23.02 ; 217.47,21.43 236.52,21.43 ; 198.43,21.43 196.84,23.02 ; 198.43,21.43 179.38,21.43 ; 268.27,80.16 269.86,78.58 ; 269.86,78.58 250.81,78.58 ; 269.86,78.58 275.41,78.58 277.79,80.96 280.97,80.96 283.35,78.58 298.43,78.58 ; 84.13,21.43 61.91,21.43 59.53,23.81 56.35,23.81 53.97,21.43 53.18,21.43 ; 84.13,21.43 103.18,21.43 ; 84.13,21.43 82.54,23.02 ; LED79.4 15.62,4.06 ; 281.76,2.38 280.18,3.97 ; LED52.4 41.82,42.16 ; 134.93,108.74 136.52,107.15 ; LED43.4 220.4,61.21 ; 222.24,107.15 220.65,108.74 ; 150.8,40.48 149.22,42.07 ; 93.66,40.48 92.07,42.07 ; 298.43,78.58 296.84,80.16 ; LED63.4 263.26,42.16 ; 98.42,107.15 96.83,108.74 ; 98.42,107.15 79.37,107.15 ; LED56.4 129.92,42.16 ; C43.1 338.27,53.96 ; 174.61,78.58 173.03,80.16 ; 174.61,78.58 193.66,78.58 ; LED87.4 303.74,4.06 ; LED77.4 289.45,23.11 ; LED9.4 220.4,108.83 ; 58.73,80.16 60.32,78.58 ; 60.32,78.58 41.27,78.58 ; 88.89,59.53 87.31,61.11 ; 232.55,3.97 234.14,2.38 ; LED55.4 110.87,42.16 ; LED15.4 15.62,80.26 ; 249.22,80.16 250.81,78.58 ; LED70.4 139.44,23.11 ; LED66.4 51.34,23.11 ; LED5.4 134.68,108.83 ; 117.47,78.58 115.88,80.16 ; 179.38,21.43 160.33,21.43 ; 179.38,21.43 177.79,23.02 ; 160.33,21.43 158.74,23.02 ; LED50.4 372.95,61.21 ; LED35.4 68.01,61.21 ; LED28.4 268.02,80.26 ; LED84.4 232.3,4.06 ; LED23.4 172.78,80.26 ; LED4.4 115.63,108.83 ; LED76.4 253.73,23.11 ; LED22.4 153.73,80.26 ; LED40.4 163.25,61.21 ; LED82.4 89.44,4.06 ; 207.95,40.48 227,40.48 ; 207.95,40.48 206.36,42.07 ; 227,40.48 225.41,42.07 ; 227,40.48 246.05,40.48 ; 41.27,78.58 39.69,80.16 ; LED1.4 39.44,108.83 ; LED47.4 301.36,61.21 ; 165.09,59.53 163.5,61.11 ; LED26.4 229.92,80.26 ; LED90.4 372.79,4.06 ; LED80.4 41.82,4.06 ; LED73.4 196.59,23.11 ; LED69.4 120.39,23.11 ; 182.55,108.74 184.14,107.15 ; 103.18,21.43 101.59,23.02 ; 268.27,108.74 269.86,107.15 ; LED57.4 148.97,42.16 ; LED64.4 294.21,42.16 ; 51.59,23.02 53.18,21.43 ; LED39.4 144.2,61.21 ; LED27.4 248.97,80.26 ; 42.07,42.07 43.65,40.48 ; LED53.4 72.77,42.16 ; LED46.4 277.54,61.21 ; 91.28,2.38 89.69,3.97 ; LED65.4 15.62,23.11 ; LED33.4 15.62,61.21 ; 193.66,78.58 192.08,80.16 ; LED21.4 134.68,80.26 ; LED11.4 268.02,108.83 ; 79.37,107.15 77.78,108.74 ; LED74.4 215.64,23.11 ; LED16.4 39.44,80.26 ; LED60.4 206.11,42.16 ; LED59.4 187.06,42.16 ; 236.52,21.43 234.94,23.02 ; LED38.4 125.15,61.21 ; LED24.4 191.83,80.26 ; 246.05,40.48 244.46,42.07 ; LED18.4 77.53,80.26 ; LED62.4 244.21,42.16 ; LED49.4 353.74,61.21 ; LED29.4 296.59,80.26 ; LED48.4 334.69,61.21 ; LED7.4 182.3,108.83 ; LED36.4 87.06,61.21 ; LED51.4 15.62,42.16 ; LED75.4 234.69,23.11 ; LED72.4 177.54,23.11 ; LED61.4 225.16,42.16 ; LED45.4 258.5,61.21 ; LED41.4 182.3,61.21 ; LED58.4 168.01,42.16 ; LED89.4 353.74,4.06 ; LED30.4 334.69,80.26 ; LED19.4 96.58,80.26 ; LED25.4 210.87,80.26 ; LED6.4 163.25,108.83 ; LED32.4 372.79,80.26 ; LED12.4 287.07,108.83
